# Altium PCB PCB_EUROC_mk2_BGA.PcbDoc (part 3 of 3)
Units mm, origin at the board's own origin, x right, y up, seen from the top; angles counter-clockwise.
Board outline 90 x 100 mm, 4 copper layers (Top Layer, Ground Layer, VCC Layer, Bottom Layer), stack 1.586 mm thick; 139 components, 118 nets, 695 pads, 450 vias.
Unrouted connection lines stored in the file: 72.
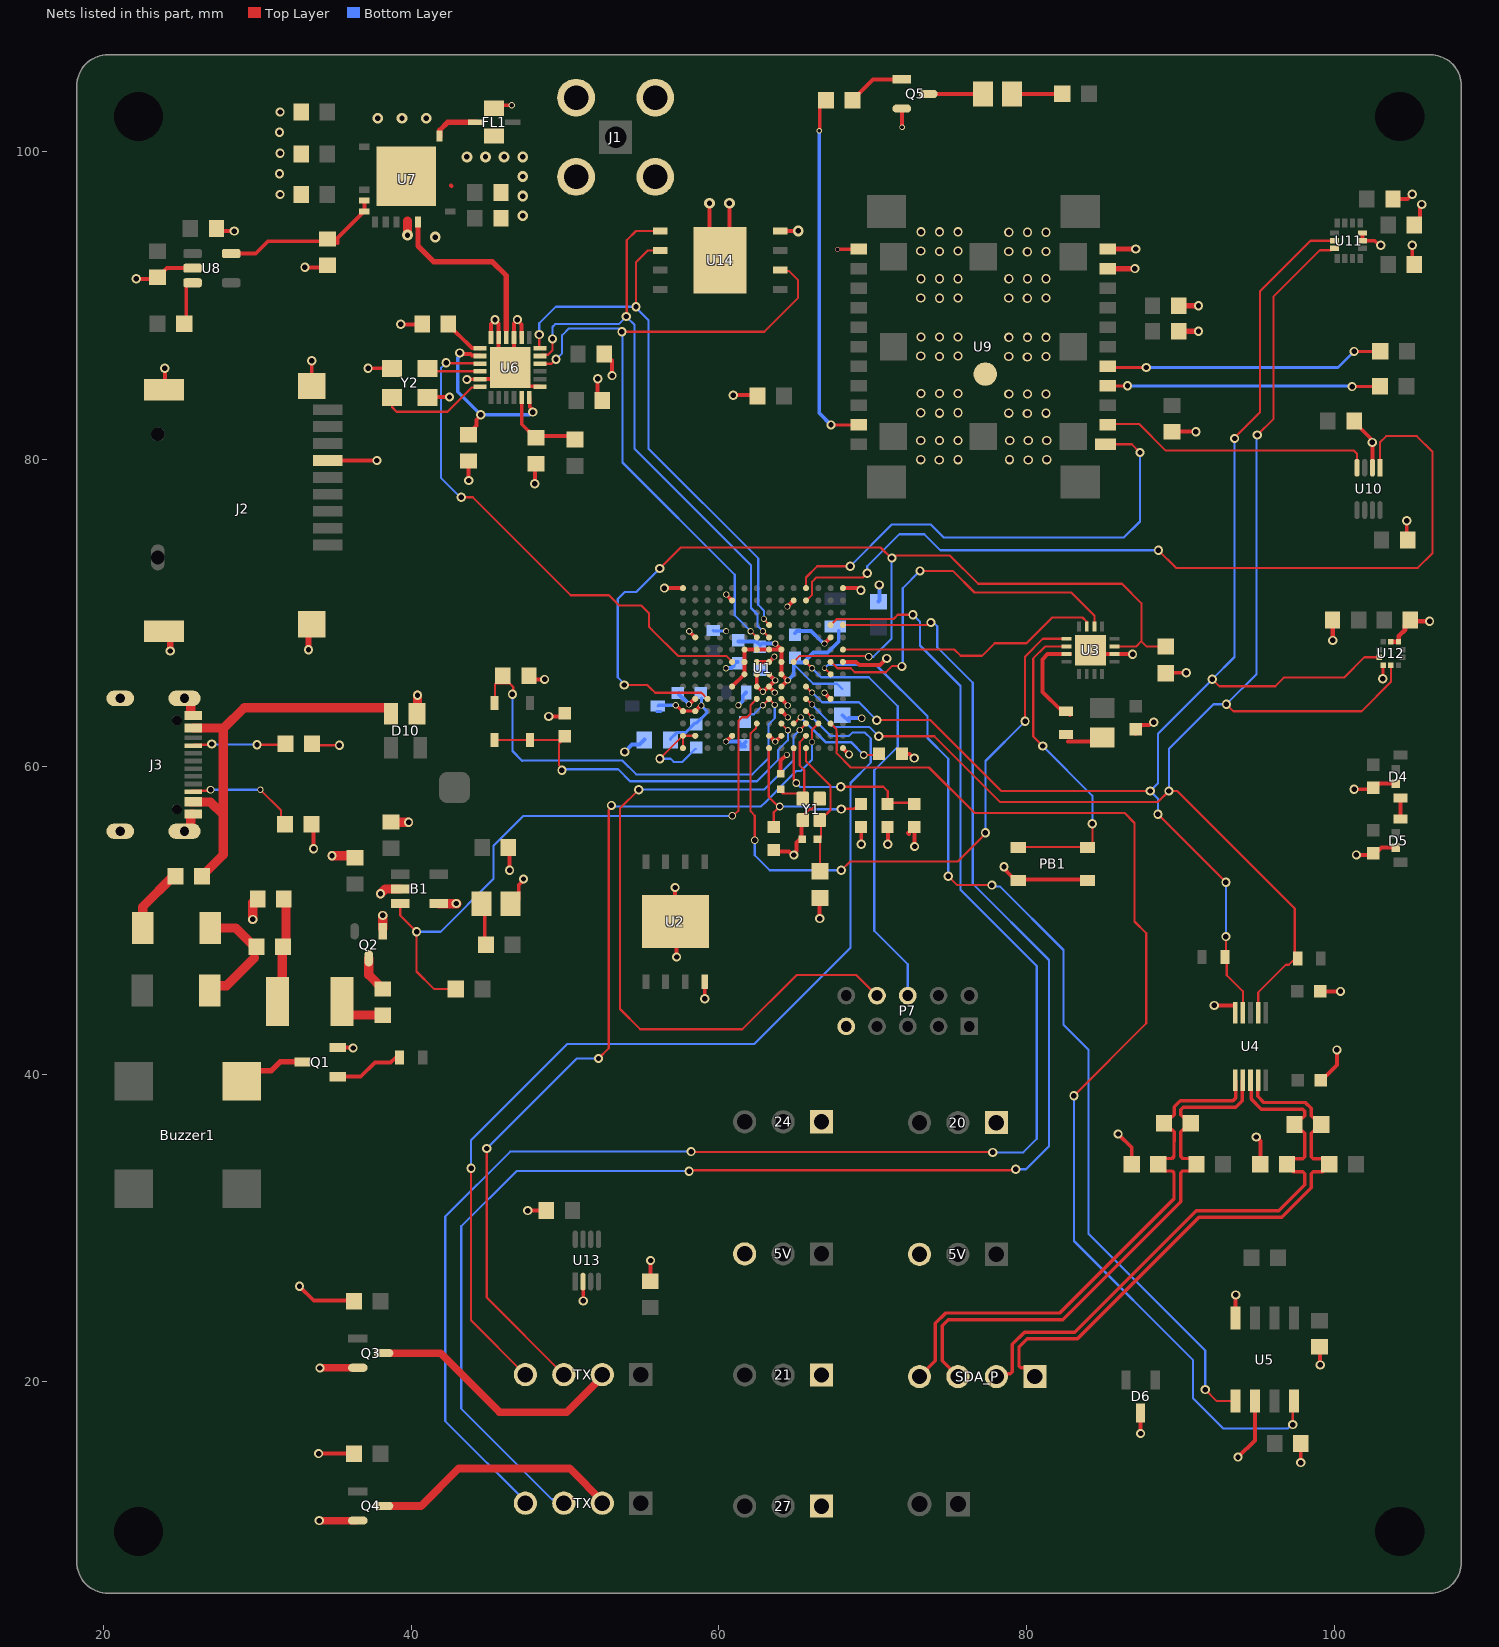
[diagram p5: the nets of this part, all layers, seen from the top]

## Via types
v1: diameter 0.6, hole 0.35, Top Layer to Bottom Layer, 294 vias
v2: diameter 0.6, hole 0.4, Top Layer to Bottom Layer, 60 vias
v3: diameter 0.4, hole 0.3, Top Layer to Bottom Layer, 58 vias
v4: diameter 0.7, hole 0.35, Top Layer to Bottom Layer, 18 vias
v5: diameter 0.5, hole 0.35, Top Layer to Bottom Layer, 15 vias
v6: diameter 0.35, hole 0.25, Top Layer to Bottom Layer, 5 vias

## Nets (pads, with @x,y where several pads share a name; then routed paths per layer and width w, separated by ;. In a path a pad name is that pad's centre, name@x,y a point inside that pad or via, vN(x,y) a via of type N, cw(c..) or ccw(c..) an arc to the next point about the centre after c; other vN are vias at no path point) (continued)
F14: U1.F14 U3.7 | length 17.5
  Top Layer w0.14: U1.F14@68.062,67.607 75.321,67.607 75.714,67.214 77.114,67.214 77.928,68.029 79.997,68.029 81.66,69.692 83.637,69.692 83.908,69.421 U3.7@83.908,69.117
FDCAN1_RX: U1.M13 U5.4 | length 75.2
  Top Layer w0.14: U1.M13@67.262,62.807 67.653,62.416 67.653,62.173 67.656,62.171 67.656,61.044 67.653,61.042 67.653,60.868 68.571,59.951 73.66,59.951 76.614,56.998 86.362,56.998 87.017,56.343 87.017,49.94 87.779,49.178 87.779,43.313 v1(83.08,38.614) ; v1(97.304,17.227) 97.304,18.675 U5.4@97.38,18.751
  Bottom Layer w0.14: v1(83.08,38.614) 83.08,29.16 90.83,21.411 90.83,18.928 92.773,16.985 96.992,16.985 97.234,17.227 v1(97.304,17.227)
FDCAN1_TX: U1.H13 U5.1 | length 63.8
  Top Layer w0.14: v6@66.865,66.411 v6(66.865,66.404) U1.H13@67.262,66.007 ; v1(74.905,52.883) 75.489,52.299 v1(77.749,52.299) ; v1(91.617,19.506) 92.372,18.751 U5.1@93.57,18.751
  Bottom Layer w0.14: v6(66.865,66.404) 67.073,66.612 70.214,66.612 73.557,63.269 73.557,61.859 74.905,60.511 v1(74.905,52.883) ; v1(77.749,52.299) 77.828,52.22 78.259,52.22 82.398,48.082 82.398,43.224 84.027,41.594 84.027,29.638 91.617,22.048 v1(91.617,19.506)
G13: U1.G13 U3.6 | length 25
  Top Layer w0.14: U1.G13@67.262,66.807 67.306,66.807 67.712,66.401 68.57,66.401 68.835,66.137 70.845,66.137 71.262,66.554 71.862,66.554 v1(71.897,66.519) ; v1(73.072,72.726) 75.204,72.726 76.612,71.317 82.914,71.317 84.408,69.823 U3.6@84.408,69.117
  Bottom Layer w0.14: v1(71.897,66.519) 71.955,66.577 71.955,71.608 v1(73.072,72.726)
GND: 5V.3 20.1 21.1 24.1 27.1 B1.2 B1.4 C1.2 C2.2 C3.2 C4.1 C5.2 C6.2 C7.2 C8.2 C9.2 C10.2 C11.2 C12.2 C13.2 C14.1 C15.1 C16.2 C17.2 C18.2 C19.2 C20.2 C21.2 C22.2 C23.1 C24.1 C25.2 C26.2 C27.2 C28.2 C29.2 C30.2 C31.2 C32.2 C33.2 C34.2 C35.2 C36.2 C37.1 C38.1 C39.1 C40.1 C41.1 C42.1 C43.2 C44.2 C45.1 C46.1 C47.1 C48.2 C49.2 C50.2 C51.2 C52.2 C53.2 C54.2 C55.1 C56.1 D4.2 D5.2 D6.3 D9.K D10.1 FL1.1 FL1.3 J1.S1 J1.S2 J1.S3 J1.S4 J2.6 J2.10 J2.11 J2.12 J2.13 J3.A1/B12 J3.A12/B1 J3.Shell P7.5 PB1.2 Q1.2 Q2.1 Q3.2 Q4.2 Q5.2 R1.2 R3.2 R9.2 R12.2 R18.1 R19.1 R20.2 R21.2 R28.2 U1.A1 U1.A14 U1.B5 U1.B10 U1.E2 U1.E13 U1.G7 U1.G8 U1.G14 U1.H7 U1.H8 U1.J7 U1.J8 U1.K2 U1.K9 U1.K13 U1.L9 U1.N1 U1.N2 U1.N5 U1.N8 U1.N9 U1.P1 U1.P14 U2.4 U2.9 U3.2 U3.17 U4.5 U5.2 U5.8 U6.5 U6.13 U6.20 U6.21 U6.23 U6.24 U6.25 U7.4_6_7_9_14_16_21_23_25 U8.2 U9.10 U9.11 U9.12 U10.2 U11.6 U11.7 U12.3 U12.8 U12.9 U13.2 U14.4 U14.9 Y1.2 Y1.4 Y2.2 Y2.4 | length 207.5
  Top Layer w0.14: R18.1@33.69,61.24 33.69,61.493 33.69,61.643 33.941,61.392 v1(35.326,61.392) ; v1(56.163,60.511) 56.163,60.526 57.644,62.007 U1.N1@57.662,62.007 ; U1.P1@57.662,61.207 U1.N1@57.662,62.007 ; U1.N2@58.462,62.007 U1.N1@57.662,62.007
  Top Layer w0.15: Y1.4@65.454,56.524 65.433,56.545 65.433,56.803 65.854,57.224 66.027,57.224 66.554,57.751 Y1.2@66.554,57.924
  Top Layer w0.2: v1(103.154,65.708) 103.168,65.723 103.168,66.584 U12.3@103.183,66.599
  Top Layer w0.22: U6.25@46.432,85.946 47.647,84.731 48.347,84.731 U6.13@48.382,84.696
  Top Layer w0.25: Y2.2@41.045,83.996 41.082,84.033 v1(42.484,84.033) ; FL1.1@45.39,102.939 45.455,103.003 v3(46.529,103.003) ; C16.2@71.805,60.832 72.395,60.832 72.671,60.557 v1(72.703,60.557) ; C3.2@87.096,62.129 87.096,62.274 87.521,62.699 87.979,62.699 88.173,62.893 v1(88.267,62.893) ; R3.2@89.061,66.102 v1(90.38,66.102)
  Top Layer w0.254: v1(22.123,91.714) 23.484,91.714 23.484,91.759 24.133,92.408 U8.2@25.777,92.408 ; J2.12@23.922,84.507 23.978,84.562 v1(23.978,85.903) ; J2.13@24.304,68.52 J2.13@24.33,68.495 ; U8.2@25.771,92.403 U8.2@25.777,92.408 ; U8.2@25.782,92.408 U8.2@25.777,92.408 ; C41.1@27.341,94.994 27.519,94.817 v1(28.498,94.817) ; v1(32.737,26.219) 33.657,25.298 R20.2@36.474,25.298 ; v1(33.084,92.461) 34.519,92.461 C43.2@34.561,92.503 ; J2.10@33.522,84.757 33.528,84.763 v1(33.528,86.385) ; R19.1@33.593,56.318 33.648,56.262 v1(33.648,54.667) ; v1(33.975,15.342) R21.2@36.168,15.342 ; Q1.2@35.225,41.748 36.181,41.748 v1(36.217,41.713) ; J2.6@35.281,80.014 35.387,79.907 v1(37.766,79.907) ; C26.2@36.322,54.201 C26.2@36.353,54.17 ; v1(37.193,85.904) Y2.4@38.652,85.904 ; C27.2@38.69,56.403 C27.2@38.724,56.368 ; v1(39.318,88.758) 40.586,88.758 C32.2@40.605,88.777 ; B1.4@41.785,51.1 B1.4@41.793,51.093 ; 42.577,97.778 42.622,97.732 ; v1@42.966,51.093 v1@42.973,51.085 ; v1(43.616,85.172) 43.628,85.184 44.47,85.184 U6.5@44.482,85.196 45.682,85.196 U6.25@46.432,85.946 ; v1(43.732,78.602) C36.2@43.732,79.774 ; U6.24@45.182,87.896 45.182,88.797 v1(45.441,89.056) 45.682,88.816 U6.23@45.682,87.896 45.682,86.696 U6.25@46.432,85.946 ; C28.2@46.038,54.737 46.409,54.366 46.394,54.351 v1(46.394,53.259) ; D9.K@46.519,50.884 46.986,51.351 46.986,52.298 47.294,52.606 v1(47.294,52.699) ; v1(46.9,89.064) v1@46.9,89.024 ; U6.20@47.176,87.914 47.176,88.748 v1@46.9,89.024 ; v1(47.574,31.14) C55.1@48.782,31.14 ; C5.2@47.651,65.913 47.893,65.672 v1(48.669,65.672) ; v1(48.034,78.397) C34.2@48.034,79.426 ; v1(48.93,63.269) 49.673,63.269 C4.1@49.979,63.575 ; v1(51.18,25.271) U13.2@51.18,26.439 ; v1(52.117,85.223) 52.117,84.218 C35.2@52.528,83.807 ; C33.2@52.636,86.823 53.057,86.401 v1(53.057,85.426) ; C56.1@55.535,26.54 55.561,26.565 v1(55.561,27.899) ; v1(56.458,71.607) U1.A1@57.658,71.607 ; v1(57.149,52.146) 57.149,49.167 57.251,49.065 v1(57.251,47.624) ; v3(58.047,64.039) 58.38,64.372 U1.K2@58.38,64.407 ; v3(58.068,68.801) U1.E2@58.462,68.407 ; v1(59.08,44.907) U2.4@59.08,46.006 ; v4(59.384,96.621) 59.384,94.466 U14.9@60.504,93.347 ; U14.9@60.08,92.923 U14.9@60.504,93.347 ; v3(60.459,61.626) 60.47,61.626 60.851,62.007 U1.N5@60.862,62.007 ; v3@60.477,71.192 U1.B5@60.862,70.807 ; v4(60.68,96.621) 60.68,93.523 U14.9@60.504,93.347 ; U14.9@60.931,92.919 U14.9@60.504,93.347 ; v1(60.935,84.15) 62.455,84.15 R28.2@62.507,84.098 ; U1.J7@62.451,65.2 U1.J7@62.462,65.2 ; U1.H7@62.456,66.007 U1.H7@62.462,66.007 U1.J7@62.462,65.207 ; U1.G7@62.462,66.807 U1.G8@63.262,66.807 v3(63.61,67.155) ; U1.J7@62.491,65.207 v3@62.829,64.87 ; v3(62.859,64.87) 62.891,64.87 63.229,65.207 U1.J8@63.262,65.207 ; U1.N8@63.262,62.007 63.277,62.007 v3(63.659,61.626) 63.669,61.626 64.051,62.007 U1.N9@64.062,62.007 ; U1.H8@63.262,66.007 v3(63.659,65.609) ; C21.2@63.573,54.477 64.562,54.477 64.783,54.255 v1(64.877,54.255) 64.877,54.349 65.04,54.512 65.04,55.067 65.263,55.29 65.359,55.385 65.359,56.429 Y1.4@65.454,56.524 ; v3@63.587,64.87 63.587,64.883 U1.J8@63.262,65.207 ; v3(63.63,64.814) v3@63.643,64.814 ; v3(63.659,65.609) 63.659,65.606 63.262,65.209 U1.J8@63.262,65.207 ; U14.4@63.703,94.839 63.692,94.828 U14.4@63.98,94.828 v4(65.15,94.828) ; C1.2@64.017,59.692 64.017,60.388 64.393,60.765 v3(64.415,60.765) ; U1.L9@64.062,63.607 64.071,63.607 64.473,63.205 v3(64.483,63.205) ; U1.K9@64.062,64.407 64.062,64.398 64.473,63.987 v3(64.473,63.978) ; v3(64.453,70.403) 64.857,70.807 U1.B10@64.862,70.807 ; v1(66.548,50.122) 66.548,51.442 R1.2@66.573,51.467 ; v3(66.862,64.801) 66.865,64.801 67.259,64.407 U1.K13@67.265,64.407 ; v3(66.862,68.001) 66.862,68.004 67.262,68.404 U1.E13@67.262,68.407 ; v6(67.713,93.623) 67.727,93.637 69.076,93.637 U9.12@69.09,93.65 ; U1.G14@68.062,66.807 68.922,66.807 69.128,66.602 70.478,66.602 v1(70.913,67.036) ; U1.P14@68.068,61.207 68.068,61.192 68.456,60.804 v5(68.456,60.795) ; U1.A14@68.068,71.613 68.074,71.607 69.049,71.607 69.193,71.464 v1(69.232,71.464) ; C20.2@69.234,55.976 69.254,55.956 v1(69.254,54.956) ; v1(70.981,54.956) C19.2@70.981,55.86 ; Q5.2@71.888,102.782 71.897,102.773 71.897,101.582 v6(71.907,101.573) ; C18.2@72.302,55.683 72.367,55.618 ; v1(72.722,54.813) 72.722,55.773 C18.2@72.734,55.785 ; v1(78.537,53.492) 78.537,53.399 78.703,53.232 78.703,53.204 79.029,52.878 79.253,52.654 PB1.2@84.04,52.654 ; U3.17@84.158,67.567 84.408,67.317 U3.2@85.708,67.317 ; v1(85.953,36.117) 86.835,35.235 R12.2@86.835,34.146 ; U3.2@86.012,67.317 86.888,67.317 v1(86.892,67.313) ; v1@87.043,92.38 v1(87.045,92.378) ; v1(87.094,93.65) v1@87.096,93.648 ; v1@87.401,16.635 v1(87.416,16.651) D6.3@87.416,17.995 ; C47.1@89.459,81.776 v1(91.008,81.776) ; v1(92.199,44.481) 93.538,44.481 93.561,44.458 U4.5@93.561,44.014 ; U5.8@93.57,24.151 93.57,25.634 v1(93.596,25.66) ; v1(93.748,15.114) 94.84,16.207 U5.2@94.84,18.751 ; v1(94.929,35.921) 95.196,35.654 95.196,34.093 R9.2@95.195,34.092 ; v1(97.827,14.757) C23.1@97.827,16.002 ; C24.1@99.035,22.278 99.085,22.227 v1(99.085,21.107) ; C14.1@99.195,45.396 99.201,45.39 v1(100.406,45.39) ; C15.1@99.233,39.614 99.233,39.664 100.174,40.605 v1(100.174,41.586) ; C45.1@101.292,82.471 101.292,82.421 102.444,81.269 102.444,81.109 v1(102.472,81.081) 102.481,81.072 U10.2@102.481,79.434 ; v1(101.294,58.535) 102.539,58.535 102.589,58.535 102.964,58.909 D4.2@103.99,58.909 ; v1(101.443,54.265) 102.586,54.265 103.065,54.744 D5.2@103.99,54.744 ; U11.7@101.851,94.691 U11.6@101.851,94.191 102.637,94.191 102.931,93.897 v1(103.024,93.897) ; C52.2@103.822,96.901 104.754,96.901 105.068,97.215 v1(105.076,97.215) ; v1(104.719,75.987) 104.719,74.78 C46.1@104.773,74.725 ; v1@105.076,93.955 105.076,92.761 C50.2@105.203,92.634 ; C51.2@105.203,95.225 105.576,95.598 105.576,96.351 105.686,96.461 v1(105.686,96.555) ; U6.25@46.432,85.946 46.682,86.196 U6.21@46.682,87.896 46.682,88.806 v1@46.9,89.024
  Top Layer w0.3: C53.2@99.889,69.528 99.901,69.516 v1(99.901,68.207) ; U12.9@103.683,68.119 U12.8@104.183,68.119 104.206,68.143 104.206,68.494 104.605,68.893 104.605,69.178 C54.2@104.955,69.528 ; C54.2@104.955,69.452 v1(106.2,69.452)
  Top Layer w0.35: C25.2@29.691,51.174 C25.2@29.908,51.39 ; U9.10@85.29,92.38 v1@87.043,92.38 ; U9.11@85.29,93.65 v1(87.094,93.65) ; C48.2@89.877,89.967 v1(91.18,89.967) ; C49.2@89.887,88.307 v1(91.18,88.307)
  Top Layer w0.4: v1(24.33,67.519) J2.13@24.33,68.495 ; v1(33.321,67.595) J2.11@33.321,68.483
  Top Layer w0.5: v1@34.01,10.997 v1(34.02,10.986) Q4.2@36.4,10.986 ; v1(34.058,20.91) 34.073,20.925 Q3.2@36.058,20.925
  Top Layer w0.6: J3.Shell@25.26,55.802 25.434,55.802 25.665,56.033 25.665,56.872 25.715,56.922 J3.A12/B1@25.83,56.922 ; J3.Shell@25.26,64.442 25.434,64.442 25.665,64.211 25.665,63.372 25.715,63.322 J3.A1/B12@25.83,63.322 ; v1(29.691,50.069) C25.2@29.691,51.174 ; v1(34.845,54.209) C26.2@36.314,54.209 ; v1(38,51.745) 38.305,52.05 B1.2@39.285,52.05 ; Q2.1@38.148,49.484 v1(38.148,50.329) ; C27.2@38.724,56.368 38.75,56.394 v1(39.824,56.394) ; v4(39.752,94.557) 39.752,95.471 ; D10.1@40.408,63.457 v1(40.408,64.649) ; B1.4@41.793,51.093 v1@42.966,51.093
  Bottom Layer w0.14: v1(56.163,60.511) 56.861,60.511 57.059,60.313 57.632,60.313 58.467,61.147 C12.2@58.517,61.147
  Bottom Layer w0.2: C29.2@59.634,68.856 59.675,68.814 v3(60.465,68.814)
  Bottom Layer w0.25: C30.2@70.368,70.729 70.429,70.79 v1(70.429,71.818)
  Bottom Layer w0.254: v1(53.877,60.961) 54.359,61.443 54.834,61.443 C13.2@55.153,61.762 ; C11.2@57.418,64.792 57.418,64.692 58.047,64.063 v3(58.047,64.039) ; v3(60.459,61.626) 61.276,61.626 61.446,61.455 C6.2@61.446,61.305 ; v3(60.459,66.401) 60.794,66.401 60.942,66.55 60.942,66.619 61.122,66.798 C9.2@61.214,66.798 ; v3(61.263,63.996) 61.549,64.282 61.549,64.598 C31.2@61.772,64.821 ; C6.2@61.699,61.305 C6.2@61.446,61.305 ; C6.2@61.745,61.603 C6.2@61.446,61.305 ; C8.2@62.686,66.196 63.072,66.196 v3(63.659,65.609) ; C10.2@64.944,68.674 65.084,68.814 65.995,68.814 66.655,68.153 66.671,68.153 66.823,68.001 v3(66.862,68.001) ; C7.2@68.019,63.346 68.442,62.973 68.442,63.155 v5(69.295,63.155)
  other v1: 42.923,51.105 105.076,93.897 31.471,97.198 31.431,98.544 31.471,99.878 31.431,101.242 31.471,102.558
  other v2: 74.328,79.934 80.106,79.934 73.117,79.96 75.539,79.96 78.896,79.96 81.317,79.96 73.126,81.204 74.332,81.204 75.539,81.204 78.904,81.204 80.111,81.204 81.317,81.204 80.052,82.957 74.337,82.982 78.841,82.982 81.263,82.982 73.126,83.008 75.548,83.008 78.85,84.227 80.056,84.227 81.263,84.227 73.135,84.252 74.341,84.252 75.548,84.252 80.052,86.64 74.337,86.665 78.841,86.665 81.263,86.665 73.126,86.691 75.548,86.691 78.85,87.91 80.056,87.91 81.263,87.91 73.135,87.935 74.341,87.935 75.548,87.935 74.337,90.45 80.052,90.45 73.126,90.475 75.548,90.475 78.841,90.475 81.263,90.475 73.135,91.72 74.341,91.72 75.548,91.72 78.85,91.72 80.056,91.72 81.263,91.72 80.052,93.473 74.337,93.498 78.841,93.498 81.263,93.498 73.126,93.523 75.548,93.523 78.85,94.743 80.056,94.743 81.263,94.743 73.135,94.768 74.341,94.768 75.548,94.768
  other v3: 60.476,71.192
  other v4: 41.56,94.428 47.243,95.816 47.243,97.092 47.243,98.367 43.619,99.643 44.827,99.643 46.035,99.643 47.243,99.643 37.82,102.157 39.395,102.157 40.969,102.157
GND_CAM_1: Q3.3 TX.2@52.418,20.478 | length 16.7
  Top Layer w0.5: Q3.3@38.358,21.875 41.904,21.875 45.74,18.04 50.111,18.04 52.418,20.347 TX.2@52.418,20.478
GND_CAM_2: Q4.3 TX.2@52.418,12.117 | length 16.4
  Top Layer w0.5: Q4.3@38.071,11.936 40.637,11.936 43.078,14.377 50.291,14.377 TX.2@52.552,12.117
I2C1_SCL_N: R11.1 R12.1 SDA_P.4 U4.6 | length 36.2
  Top Layer w0.222: SDA_P.4@73.04,20.351 74.074,21.385 74.074,23.821 74.737,24.484 82.17,24.484 89.586,31.901 89.586,33.587 89.456,33.717 88.979,33.717 88.565,34.131 R12.1@88.565,34.146 88.946,34.526 89.456,34.526 89.586,34.656 89.586,35.635 89.595,35.643 89.595,36.266 89.465,36.397 89.36,36.397 88.946,36.81 R11.1@88.946,36.825 88.946,36.84 89.36,37.254 89.465,37.254 89.595,37.385 89.595,37.878 90.005,38.288 93.421,38.288 93.595,38.462 93.595,39.58 U4.6@93.561,39.614
I2C1_SCL_P: R10.2 R11.2 SDA_P.3 U4.7 | length 36.2
  Top Layer w0.222: SDA_P.3@75.54,20.351 74.506,21.385 74.506,23.642 74.916,24.052 82.349,24.052 90.019,31.722 90.019,33.587 90.149,33.717 90.626,33.717 91.04,34.131 R10.2@91.04,34.146 90.659,34.526 90.149,34.526 90.019,34.656 90.019,35.456 90.027,35.464 90.027,36.266 90.157,36.397 90.262,36.397 90.676,36.81 R11.2@90.676,36.825 90.676,36.84 90.262,37.254 90.157,37.254 90.027,37.385 90.027,37.699 90.184,37.856 93.6,37.856 94.027,38.283 94.027,39.58 U4.7@94.061,39.614
I2C1_SDA_N: R5.2 R6.2 SDA_P.1 U4.9 | length 38.2
  Top Layer w0.222: SDA_P.1@80.54,20.351 79.974,20.917 79.636,20.917 79.506,21.047 79.506,22.267 80.047,22.808 83.312,22.808 91.21,30.707 96.588,30.707 98.517,32.636 98.517,33.534 98.648,33.664 99.263,33.664 99.677,34.078 99.677,34.093 99.677,34.108 99.263,34.522 98.648,34.522 98.517,34.652 98.517,35.587 98.511,35.594 98.511,36.175 98.641,36.305 98.746,36.305 99.16,36.719 R6.2@99.16,36.734 99.16,36.749 98.746,37.163 98.641,37.163 98.511,37.293 98.511,37.786 98.127,38.17 95.432,38.17 95.027,38.575 95.027,39.58 U4.9@95.061,39.614
I2C1_SDA_P: R6.1 R9.1 SDA_P.2 U4.8 | length 38.4
  Top Layer w0.222: SDA_P.2@78.04,20.351 78.229,20.541 78.944,20.541 79.074,20.671 79.074,22.446 79.868,23.24 83.133,23.24 91.031,31.139 96.409,31.139 98.085,32.815 98.085,33.534 97.955,33.664 97.34,33.664 96.926,34.078 96.926,34.093 96.926,34.108 97.34,34.522 97.955,34.522 98.085,34.652 98.085,35.408 98.078,35.415 98.078,36.175 97.948,36.305 97.843,36.305 97.43,36.719 R6.1@97.43,36.734 97.43,36.749 97.843,37.163 97.948,37.163 98.078,37.293 98.078,37.607 97.948,37.738 95.253,37.738 94.595,38.396 94.595,39.58 U4.8@94.561,39.614
K3: R3.1 U1.G10 U1.K3 U3.3 | length 67
  Top Layer w0.14: v1(53.845,65.309) 55.344,65.309 55.572,65.081 55.851,64.801 57.499,64.801 ; v1(56.158,72.88) 57.528,74.25 70.508,74.25 v1@71.194,73.564 ; 57.499,64.801 58.625,64.801 ; 58.625,64.801 58.868,64.801 59.218,64.451 U1.K3@59.218,64.407 ; U1.G10@64.862,66.807 65.256,67.201 69.533,67.201 69.685,67.201 v5(69.742,67.143) ; v1(71.244,73.564) 71.368,73.564 71.525,73.721 75.021,73.721 76.855,71.888 86.204,71.888 87.462,70.63 87.462,68.158 ; U3.3@85.708,67.817 87.121,67.817 87.462,68.158 ; R3.1@89.059,67.804 87.816,67.804 87.462,68.158
  Bottom Layer w0.14: v1(53.845,65.309) 53.845,65.379 53.419,65.806 53.419,70.903 53.87,71.354 54.632,71.354 v1(56.158,72.88) ; v5(69.742,67.143) 70.043,67.143 71.218,68.318 71.218,73.539 v1(71.244,73.564)
M7: U1.M7 U3.9 | length 41
  Top Layer w0.14: v5(62.334,55.221) 62.334,56.819 62.062,57.091 62.062,62.155 62.068,62.161 62.068,62.171 62.406,62.508 62.406,62.598 62.413,62.606 62.413,62.813 U1.M7@62.406,62.82 ; v1(67.954,53.264) 68.519,53.828 75.511,53.828 77.326,55.644 v1(77.326,55.702) ; v1(79.905,62.947) 79.905,67.163 81.059,68.317 U3.9@82.608,68.317
  Bottom Layer w0.14: v5(62.334,55.221) 62.334,54.232 63.303,53.264 v1(67.954,53.264) ; v1(77.326,55.702) 77.326,60.369 v1(79.905,62.947)
MISO: U1.E7 U6.16 U14.2 | length 45.8
  Top Layer w0.14: U6.16@48.382,86.196 49.119,86.196 v1(49.407,86.483) ; v1(53.692,88.271) 62.947,88.271 65.15,90.474 65.15,91.627 64.546,92.232 63.776,92.232 U14.2@63.719,92.288 ; v3(62.062,68.807) U1.E7@62.462,68.407
  Bottom Layer w0.14: v1(49.407,86.483) 49.806,86.883 49.806,88.047 50.242,88.483 53.48,88.483 v1(53.692,88.271) 53.735,88.228 53.735,79.77 61.032,72.473 61.032,69.837 v3(62.062,68.807)
MOSI: U1.E8 U6.17 U14.5 | length 39.7
  Top Layer w0.14: U6.17@48.382,86.696 48.461,86.775 48.89,86.775 49.057,86.943 49.179,87.064 v1(49.179,87.81) ; v1(53.972,89.263) 54.01,89.264 54.01,94.226 54.608,94.824 56.176,94.824 U14.5@56.18,94.828 ; v3(62.862,68.8) 62.866,68.8 63.251,68.414 63.262,68.414 U1.E8@63.262,68.407
  Bottom Layer w0.14: v1(49.179,87.81) 49.179,88.586 49.365,88.772 53.481,88.772 v1(53.972,89.263) ; v1@53.972,89.226 54.01,89.226 54.512,88.723 54.512,80.669 62.09,73.091 62.09,70.31 62.507,69.893 62.507,69.154 v3(62.862,68.8)
NetBuzzer1_N: Buzzer1.N Q1.3 | length 4.4
  Top Layer w0.35: Buzzer1.N@28.973,39.548 29.664,40.239 30.908,40.239 31.477,40.808 Q1.3@32.881,40.808
NetC5_1: C5.1 C6.1 D3.A U1.K8 | length 31.3
  Top Layer w0.14: D3.A@45.407,64.144 45.432,64.17 45.432,65.344 C5.1@45.501,65.413 ; C5.1@45.951,65.913 45.501,65.463 C5.1@45.501,65.413 ; v1(46.577,64.712) 46.631,64.766 46.631,65.184 46.381,65.434 46.361,65.413 C5.1@45.501,65.413 ; v3(62.859,63.988) 62.859,63.996 U1.K8@63.262,64.4 ; U1.K8@63.262,64.407 U1.K8@63.262,64.4 ; v3(63.63,64.016) 63.63,64.028 63.262,64.396 U1.K8@63.262,64.4
  Bottom Layer w0.14: v1(46.577,64.712) 46.577,61.019 47.223,60.373 ; 47.223,60.399 53.726,60.399 54.624,59.501 62.171,59.501 63.229,60.559 63.229,62.755 63.63,63.155 v3(63.63,64.016) ; C6.1@61.834,63.185 62.053,63.405 62.275,63.405 v3(62.859,63.988)
NetC11_1: C11.1 C12.1 C13.1 L2.1 U1.L1 U1.L2 | length 7.7
  Top Layer w0.15: U1.L2@58.405,63.621 58.405,63.629 U1.L2@58.472,63.629
  Top Layer w0.2: v3(57.193,63.992) 57.235,63.992 57.619,63.607 U1.L1@57.662,63.607 U1.L2@58.405,63.607
  Top Layer w0.254: U1.L2@58.472,63.629 v3@58.84,63.997
  Bottom Layer w0.2: 55.943,63.583 56.236,63.583 ; L2.1@56.04,63.953 56.079,63.992 v3(57.193,63.992) ; C13.1@56.853,61.762 56.853,61.812 57.253,62.212 57.832,62.212 58.467,62.847 58.517,62.847 58.567,62.847 59.23,63.51 59.23,63.608 v3(58.86,63.978) C11.1@58.86,64.465
NetC16_1: C16.1 U1.M10 | length 6.9
  Top Layer w0.14: U1.M10@64.862,62.807 64.875,62.807 64.892,62.807 65.288,63.203 v3(65.318,63.203)
  Top Layer w0.15: v5(69.408,60.761) 70.243,60.761 C16.1@70.45,60.968
  Bottom Layer w0.15: v3@65.321,63.205 66.931,61.595 68.582,61.595 69.408,60.769 v5(69.408,60.761)
NetC18_1: C18.1 C19.1 U1.P10 | length 11
  Top Layer w0.15: U1.P10@64.862,61.207 64.862,59.172 64.905,59.128 65.031,59.002 v5(65.031,58.935) ; v1(67.922,58.699) 70.687,58.699 70.981,58.405 70.981,57.66 C18.1@72.663,57.66
  Bottom Layer w0.15: v5(65.031,58.935) 65.285,58.681 67.904,58.681 v1(67.922,58.699)
NetC20_1: C20.1 C21.1 U1.P8 | length 11.1
  Top Layer w0.15: U1.P8@63.262,61.207 63.239,61.185 63.239,58.033 63.86,57.412 v5(63.955,57.412) 63.908,57.365 63.573,57.03 C21.1@63.573,56.177 ; v1(67.954,57.24) 67.97,57.257 68.759,57.257 C20.1@69.234,57.676
  Bottom Layer w0.15: v5(63.955,57.412) 65.807,57.412 65.989,57.23 67.944,57.23 v1(67.954,57.24)
NetC25_1: C25.1 F1.1 R15.1 | length 6.7
  Top Layer w0.35: R15.1@31.856,48.341 R15.1@31.906,48.291
  Top Layer w0.6: F1.1@31.306,44.735 31.62,45.049 31.62,48.104 R15.1@31.807,48.291 ; R15.1@31.856,48.341 C25.1@31.856,51.161
NetC32_1: C32.1 U6.1 | length 2.7
  Top Layer w0.254: C32.1@42.505,88.777 42.505,88.627 43.028,88.104 43.055,88.104 43.94,87.219 44.459,87.219 U6.1@44.482,87.196
NetC34_1: C34.1 R22.2 U6.11 | length 5.5
  Top Layer w0.254: U6.11@47.182,83.996 47.182,82.261 47.954,81.489 48.104,81.489 50.568,81.489 R22.2@50.644,81.413
NetC36_1: C36.1 U6.2 U6.12 | length 12.1
  Top Layer w0.254: v1(43.155,86.897) 43.221,86.83 43.839,86.83 43.95,86.719 44.459,86.719 U6.2@44.482,86.696 ; C36.1@43.732,81.674 44.237,82.178 44.237,82.556 44.518,82.838 v1(44.518,82.877) ; U6.12@47.682,83.996 47.705,83.973 47.705,83.383 47.874,83.213 47.874,83.08 v1(47.902,83.052)
  Bottom Layer w0.254: v1(43.155,86.897) 43.089,86.83 43.089,86.64 43.024,86.575 43.024,84.371 v1(44.518,82.877) 47.688,82.877 47.863,83.052 v1(47.902,83.052)
NetC43_1: C43.1 U7.27 U7.28 U8.5 | length 10.6
  Top Layer w0.254: U8.5@28.292,93.358 29.89,93.358 30.689,94.157 34.315,94.157 C43.1@34.561,94.403 ; C43.1@34.861,94.392 35.205,94.049 35.205,94.369 U7.28@36.938,96.102 ; U7.28@36.952,96.102 U7.27@36.952,96.767
NetD1_K: D1.K R2.1 | length 2.7
  Top Layer w0.254: 82.698,61.629 D1.K@85.366,61.629
NetD4_1: D4.1 D5.4 | length 1.4
  Top Layer w0.254: D5.4@104.315,56.594 D4.1@104.315,57.959
NetD7_2: D7.2 D8.2 R15.2 | length 8.2
  Top Layer w0.35: D8.2@26.936,49.51 26.936,49.455 D8.2@27.461,48.93
  Top Layer w0.5: 29.807,47.571 R15.2@29.807,48.291
  Top Layer w0.6: D8.2@26.936,49.51 28.588,49.51 R15.2@29.807,48.291 ; D7.2@27.268,45.751 27.987,45.751 29.807,47.571
NetD8_1: D8.1 R14.2 | length 4.2
  Top Layer w0.6: D8.1@22.536,49.51 22.536,50.885 R14.2@24.54,52.889
NetD9_A: D9.A R16.1 | length 2.8
  Top Layer w0.222: R16.1@44.767,48.278 D9.A@44.767,51.06
NetD11_A: D11.A R24.2 | length 3.3
  Top Layer w0.254: D11.A@79.054,103.732 82.294,103.732 R24.2@82.319,103.757
NetD11_K: D11.K Q5.3 | length 4
  Top Layer w0.254: Q5.3@73.608,103.732 76.936,103.732 D11.K@77.418,104.215
NetF1_2: F1.2 L3.1 | length 3.2
  Top Layer w0.35: F1.2@35.506,44.735 35.506,44.423 F1.2@36.081,43.848
  Top Layer w0.6: F1.2@36.081,43.848 L3.1@38.148,43.848
NetFL1_4: FL1.4 U7.15 | length 3
  Top Layer w0.349: U7.15@41.852,100.967 41.852,101.373 42.375,101.896 FL1.4@44.186,101.896
NetJ3_A5: J3.A5 R18.2 | length 6.1
  Top Layer w0.14: J3.A5@25.83,61.372 25.882,61.424 26.97,61.424 v1(27.023,61.476) ; v1(29.969,61.423) 31.754,61.423 R18.2@31.825,61.493
  Bottom Layer w0.14: v1(27.023,61.476) 27.049,61.45 29.942,61.45 v1(29.969,61.423)
NetJ3_B5: J3.B5 R19.2 | length 7.2
  Top Layer w0.14: J3.B5@25.608,58.321 25.724,58.437 26.887,58.437 v5(26.952,58.502) ; v3(30.19,58.502) 31.539,57.154 R19.2@31.539,56.493
  Bottom Layer w0.14: v5(26.952,58.502) v3(30.19,58.502)
NetL3_2: L3.2 Q2.3 | length 2.4
  Top Layer w0.35: Q2.3@37.233,47.542 Q2.3@37.271,47.504
  Top Layer w0.6: Q2.3@37.233,47.542 37.233,46.463 L3.2@38.148,45.548
NetPB1_1: PB1.1 U3.10 | length 21.3
  Top Layer w0.14: PB1.1@79.477,54.788 83.958,54.788 PB1.1@84.277,54.788 ; v1(81.048,61.347) 80.437,61.958 80.437,67.043 81.211,67.817 U3.10@82.608,67.817 ; PB1.1@83.958,54.749 83.997,54.749 84.277,55.029 v1(84.277,56.286)
  Bottom Layer w0.14: v1(81.048,61.347) 84.277,58.118 v1(84.277,56.286)
NetQ1_1: Q1.1 R4.2 | length 4.1
  Top Layer w0.254: Q1.1@35.396,39.848 36.715,39.848 37.639,40.773 38.662,40.773 R4.2@38.992,41.103
NetQ5_1: Q5.1 R25.1 | length 3.8
  Top Layer w0.254: R25.1@68.681,103.326 68.681,103.341 70.022,104.682 Q5.1@71.888,104.682
NetR2_2: R2.2 U3.11 | length 6.5
  Top Layer w0.254: R2.2@82.57,63.636 R2.2@82.543,63.636 ; R2.2@82.829,63.351 R2.2@82.543,63.636 ; U3.11@82.831,67.317 81.372,67.317 81.03,66.975 81.03,64.865 82.258,63.636 R2.2@82.543,63.636
NetR23_1: R23.1 U8.3 | length 3
  Top Layer w0.254: R23.1@25.37,88.796 25.37,91.291 25.536,91.458 U8.3@25.782,91.458
NetR25_2: R25.2 U9.21 | length 23.4
  Top Layer w0.2: v1(67.284,82.218) 67.286,82.22 U9.21@69.09,82.22
  Top Layer w0.254: v6(66.522,101.344) 66.522,101.37 66.553,101.401 66.553,102.928 R25.2@66.951,103.326
  Bottom Layer w0.254: v6(66.522,101.344) 66.522,82.98 v1(67.284,82.218)
NetR26_2: R26.2 U9.4 | length 17.7
  Top Layer w0.2: U9.4@85.29,84.76 v1(86.564,84.76) ; v1(101.166,84.709) 102.945,84.709 R26.2@102.97,84.735
  Bottom Layer w0.2: v1(86.564,84.76) 101.115,84.76 v1(101.166,84.709)
NetR27_2: R27.2 U9.5 | length 18.2
  Top Layer w0.2: U9.5@85.29,86.03 85.366,85.954 v1(87.782,85.954) ; v1(101.292,86.995) R27.2@102.996,86.995
  Bottom Layer w0.2: v1(87.782,85.954) 100.251,85.954 v1(101.292,86.995)
NetU6_4: U6.4 Y2.3 | length 3.5
  Top Layer w0.15: Y2.3@41.045,85.896 41.24,85.701 44.477,85.701 U6.4@44.482,85.696
NetU6_6: U6.6 Y2.1 | length 7.2
  Top Layer w0.15: Y2.1@38.745,83.996 38.745,83.391 38.746,83.38 39.062,83.064 42.338,83.064 43.93,84.655 44.441,84.655 U6.6@44.482,84.696
PMIC_REQ: B1.3 R17.2 U1.K7 | length 41.1
  Top Layer w0.14: B1.3@39.285,51.1 39.285,50.329 v1(40.344,49.27) 40.344,46.679 41.467,45.555 ; 41.516,45.548 R17.2@42.761,45.548 ; v5(60.862,56.803) 60.932,56.803 61.263,57.134 61.263,62.972 61.504,63.213 61.825,63.213 62.056,63.444 62.056,63.765 62.061,63.77 62.061,64.006 U1.K7@62.462,64.407
  Bottom Layer w0.14: v1(40.344,49.27) 41.906,49.27 45.336,52.699 45.336,54.845 47.294,56.803 v5(60.862,56.803)
RF_OUT: U6.22 U7.5 | length 11.6
  Top Layer w0.349: U7.5@40.438,95.402 40.438,93.849 41.452,92.835 45.262,92.835 46.182,91.916 46.182,88.41
RX1: P7.9 U1.M11 | length 47.6
  Top Layer w0.14: v1(54.783,58.5) 53.569,57.286 53.569,44.247 54.889,42.926 61.521,42.926 65.052,46.457 68.938,46.457 P7.9@70.278,45.116 ; v3(65.251,62.382) 65.251,62.389 65.662,62.8 U1.M11@65.662,62.807 U1.M11@65.662,62.815
  Bottom Layer w0.14: v1(54.783,58.5) 54.79,58.508 62.934,58.508 64.86,60.433 64.86,61.991 v3(65.251,62.382)
RX2: U1.A11 U9.1 | length 31.4
  Top Layer w0.14: U1.A11@65.662,71.607 65.662,72.301 66.392,73.031 v1(68.534,73.031) ; U9.1@85.266,80.956 86.839,80.956 v1(87.373,80.422)
  Bottom Layer w0.14: v1(68.534,73.031) 71.246,75.743 73.762,75.743 74.6,74.905 86.335,74.905 87.373,75.943 v1(87.373,80.422)
"RX_CAM1 / 14": TX.4@47.418,20.478 U1.L11 | length 65.8
  Top Layer w0.14: v1(43.888,33.889) 43.888,24.009 TX.4@47.418,20.478 ; U1.L11@65.662,63.607 v6(66.053,63.216)
  Bottom Layer w0.14: v1(43.888,33.889) 43.888,35.718 50.136,41.967 62.303,41.967 68.554,48.218 68.554,58.941 69.874,60.262 69.874,61.837 69.496,62.215 68.673,62.215 68.448,61.991 67.279,61.991 v6(66.053,63.216)
"RX_CAM2 / 35": TX.4@47.418,12.117 U1.D13 | length 104.5
  Top Layer w0.14: v1(58.191,34.974) 58.216,34.949 77.774,34.949 v1(77.799,34.923) ; U1.D13@67.262,69.207 67.656,69.602 71.347,69.602 71.625,69.879 v1(72.613,69.879) v1@72.615,69.881
  Bottom Layer w0.14: TX.4@47.552,12.117 42.214,17.455 42.214,30.758 46.43,34.974 v1(58.191,34.974) ; v1(72.613,69.879) 73.073,69.418 73.073,67.874 75.707,65.24 75.707,52.005 80.665,47.047 80.665,35.808 79.781,34.923 v1(77.799,34.923)
SCK: U1.D8 U6.18 U14.6 | length 38.1
  Top Layer w0.14: v1(48.323,88.09) 48.323,87.296 48.348,87.271 48.732,87.271 48.657,87.196 U6.18@48.382,87.196 ; v1(54.608,89.9) 54.608,92.794 55.369,93.554 56.176,93.554 U14.6@56.18,93.558 ; v3(62.922,69.604) 62.922,69.576 63.265,69.233 63.265,69.207 U1.D8@63.262,69.207
  Bottom Layer w0.14: v1(48.323,88.09) 48.323,88.822 49.401,89.9 v1(54.608,89.9) ; v1@54.599,89.851 55.412,89.037 55.412,80.685 62.553,73.544 62.553,70.52 62.922,70.151 v3(62.922,69.604)
SCL: R8.2 U1.J11 U4.4 U11.13 U12.2 | length 95.6
  Top Layer w0.14: U1.J11@65.662,65.207 65.662,65.201 v3(66.05,64.814) ; v1(70.266,63.024) 73.758,63.024 78.362,58.42 v1(88.036,58.42) ; v1(88.541,56.902) v1(92.961,52.482) ; v1(92.075,65.684) 92.532,65.227 96.164,65.227 96.723,65.786 100.639,65.786 101.962,67.109 U12.2@102.923,67.109 ; v1(92.961,48.952) 92.961,47.683 93.013,47.631 93.013,46.444 94.061,45.396 U4.4@94.061,44.014 ; v1(93.523,81.331) 93.523,81.382 95.174,83.033 95.174,90.907 98.458,94.191 U11.13@100.025,94.191
  Bottom Layer w0.14: v3(66.05,64.814) 66.087,64.814 66.715,64.185 69.104,64.185 v1(70.266,63.024) ; v1(88.541,56.902) 88.541,57.915 v1(88.036,58.42) 88.541,58.925 88.541,62.134 92.07,65.663 v1@92.07,65.69 ; v1(92.075,65.684) 93.523,67.132 v1(93.523,81.331) ; v1(92.961,48.952) v1(92.961,52.482)
SDA: R7.2 U1.K11 U4.2 U11.14 U12.4 | length 99.4
  Top Layer w0.14: U1.K11@65.662,64.407 65.681,64.407 v3(66.05,64.039) ; v1(70.386,61.978) 73.995,61.978 78.264,57.709 88.544,57.709 v1(89.256,58.42) 89.789,58.42 97.431,50.778 97.431,47.5 97.054,47.123 96.856,47.123 95.061,45.328 U4.2@95.061,44.014 ; v1(92.989,64.059) 93.447,63.602 101.782,63.602 103.683,65.503 U12.4@103.683,66.599 ; v1(94.996,81.559) 96.063,82.626 96.063,90.572 99.066,93.576 99.798,93.576 99.913,93.691 U11.14@100.025,93.691
  Bottom Layer w0.14: v3(66.05,64.039) 66.05,64.015 67.272,62.792 67.272,62.764 67.388,62.649 67.44,62.649 67.502,62.586 69.778,62.586 v1(70.386,61.978) ; v1(89.256,58.42) 89.256,61.163 92.151,64.059 v1(92.989,64.059) 94.945,66.015 94.945,81.509 v1(94.996,81.559)
SNVS: C4.2 D2.C D3.C U1.M9 | length 24.6
  Top Layer w0.14: D3.C@45.407,61.731 D2.C@47.718,61.731 C4.2@49.836,61.731 ; v1(49.793,59.763) 49.793,59.887 49.615,60.066 49.615,61.511 C4.2@49.836,61.731 ; C4.2@49.979,61.875 C4.2@49.836,61.731 ; U1.M9@64.062,62.807 64.062,62.798 64.483,62.378 v3(64.483,62.369)
  Bottom Layer w0.14: v1(49.793,59.763) 49.86,59.83 53.445,59.83 54.219,59.056 62.478,59.056 63.861,60.439 63.861,61.094 64.483,61.715 v3(64.483,62.369)
SOC: C7.1 C8.1 C9.1 C10.1 L1.2 U1.F6 U1.F7 U1.F8 U1.F9 U1.G6 U1.G9 U1.H6 U1.H9 U1.J5 U1.J9 | length 20.5
  Top Layer w0.25: U1.J5@60.862,65.207 U1.H6@61.662,66.007 U1.G6@61.662,66.807 U1.F6@61.662,67.607 U1.F7@62.462,67.607 U1.F8@63.262,67.607 U1.F9@64.057,67.607 ; v3(63.659,68.001) 63.663,68.001 U1.F9@64.057,67.607 ; U1.J9@64.062,65.207 64.462,65.607 U1.H9@64.062,66.007 U1.G9@64.062,66.807 U1.F9@64.062,67.607 U1.F9@64.057,67.607
  Bottom Layer w0.15: 64.865,66.655 66.135,65.385 67.679,65.385 C7.1@68.019,65.046 ; C10.1@64.943,66.705 65.02,66.782 65.069,66.782 C10.1@64.993,66.706 ; L1.2@68.012,69.224 68.162,69.224 L1.2@68.062,69.324
  Bottom Layer w0.25: C9.1@61.265,68.142 62.44,68.142 62.686,67.896 62.792,68.001 v3(63.659,68.001) ; v3(64.474,65.609) 64.865,66 64.865,66.655 ; C10.1@65.069,66.782 65.503,66.782 66.146,67.425 67.073,67.425 67.791,68.144 L1.2@67.791,68.814
"SX_RESET / 3": U1.G5 U6.3 | length 34.3
  Top Layer w0.14: v1(42.265,86.257) 42.295,86.226 44.451,86.226 U6.3@44.482,86.196 ; v1(43.242,77.515) 43.246,77.518 43.998,77.518 50.371,71.146 52.849,71.146 53.513,70.481 54.955,70.481 55.453,69.983 55.453,69.09 55.642,68.9 55.642,68.896 57.337,67.201 60.474,67.201 60.862,66.813 U1.G5@60.862,66.807
  Bottom Layer w0.14: v1(42.265,86.257) 41.939,85.931 41.939,78.756 43.181,77.515 v1(43.242,77.515)
TX1: P7.8 U1.G11 | length 27.5
  Top Layer w0.14: U1.G11@65.662,66.807 65.662,66.798 66.05,66.411 v3(66.05,66.401)
  Bottom Layer w0.14: v3(66.05,66.401) 66.634,65.817 69.744,65.817 71.625,63.936 71.625,61.302 70.101,59.778 70.101,49.334 72.278,47.156 P7.8@72.278,45.116
TX2: U1.B11 U10.1 | length 56.8
  Top Layer w0.14: U1.B11@65.662,70.807 65.688,70.807 66.062,71.181 66.062,72.028 66.334,72.301 69.37,72.301 v1(69.643,72.574) ; v1(88.57,74.066) 89.713,72.923 105.435,72.923 106.387,73.875 106.387,80.472 105.371,81.488 103.387,81.488 102.981,81.081 U10.1@102.981,79.434
  Bottom Layer w0.14: v1(69.643,72.574) 69.643,73.031 69.653,73.031 71.73,75.108 73.355,75.108 74.397,74.066 v1(88.57,74.066)
TX2_1V8: U9.2 U10.4 | length 17.8
  Top Layer w0.14: U9.2@85.37,82.276 87.319,82.276 89.052,80.543 101.282,80.543 101.481,80.345 U10.4@101.481,79.434
"TX_CAM1 / 15": TX.3@49.918,20.478 U1.M12 | length 60.1
  Top Layer w0.14: v1(44.906,35.177) 44.906,25.49 TX.3@49.918,20.478 ; v1(52.168,41.027) 52.833,41.692 52.833,57.179 53.01,57.356 v1(53.01,57.48) ; v3(66.054,61.604) 66.054,62.401 66.46,62.807 U1.M12@66.462,62.807
  Bottom Layer w0.14: v1(44.906,35.177) 50.756,41.027 v1(52.168,41.027) ; v1(53.01,57.48) 53.08,57.41 62.713,57.41 62.95,57.616 ; 62.978,57.642 64.446,59.128 65.031,59.714 65.328,59.714 66.054,60.439 v3(66.054,61.604)
"TX_CAM2 / 34": TX.3@49.918,12.117 U1.D14 | length 104.5
  Top Layer w0.14: v1(58.064,33.704) 58.127,33.768 79.234,33.768 v1(79.298,33.831) ; U1.D14@68.062,69.207 73.618,69.207 v1(73.784,69.373)
  Bottom Layer w0.14: TX.3@49.918,12.117 49.657,12.379 49.14,12.379 43.253,18.266 43.253,30.12 46.837,33.704 v1(58.064,33.704) ; v1(73.784,69.373) 73.824,69.333 73.99,69.333 74.19,69.133 74.19,67.767 76.505,65.452 76.505,52.381 81.454,47.431 81.454,35.327 79.958,33.831 v1(79.298,33.831)
VUSB: D10.2 J3.A4/B9 J3.A9/B4 R14.1 | length 26.1
  Top Layer w0.35: D10.2@38.274,63.836 D10.2@38.681,63.43
  Top Layer w0.6: J3.A9/B4@25.634,57.696 26.952,57.696 27.777,56.871 ; J3.A4/B9@25.83,62.522 27.828,62.522 29.142,63.836 D10.2@38.274,63.836 ; R14.1@26.54,52.889 26.54,53.039 27.777,54.276 27.777,56.871 ; 27.777,62.471 27.777,56.871
XTAL0: C1.1 U1.N11 Y1.3 | length 6.1
  Top Layer w0.14: C1.1@64.017,58.392 64.16,58.249 65.226,58.249 65.546,57.929 65.546,59.128 65.546,59.783 65.251,60.078 65.251,61.039 65.256,61.044 65.256,61.371 65.251,61.376 65.251,61.596 U1.N11@65.662,62.007
XTAL1: C2.1 R1.1 U1.P11 Y1.1 | length 9
  Top Layer w0.14: U1.P11@65.662,61.207 65.662,60.345 66.878,59.128 67.262,58.745 67.262,58.249 67.255,57.187 66.646,56.579 C2.1@66.646,55.376 ; R1.1@66.563,53.453 C2.1@66.563,55.29 ; R1.1@66.583,53.264 R1.1@66.868,52.979
pads on no net: Buzzer1.1 Buzzer1.2 D5.1 J2.9 J2.MH1 J2.MH2 J3.A8 J3.B8 J3.MH1 J3.MH2 P7.2 P7.3 P7.4 P7.7 P7.10 U1.A2 U1.A3 U1.A4 U1.A5 U1.A6 U1.A7 U1.A8 U1.A9 U1.A12 U1.A13 U1.B1 U1.B2 U1.B3 U1.B4 U1.B6 U1.B7 U1.B8 U1.B9 U1.B12 U1.B13 U1.B14 U1.C1 U1.C2 U1.C4 U1.C6 U1.C7 U1.C8 U1.C9 U1.C12 U1.C13 U1.C14 U1.D1 U1.D2 U1.D3 U1.D4 U1.D6 U1.D11 U1.D12 U1.E1 U1.E3 U1.E5 U1.E10 U1.E11 U1.E12 U1.F1 U1.F4 U1.G1 U1.G2 U1.G3 U1.G4 U1.G12 U1.H1 U1.H5 U1.H10 U1.H11 U1.H12 U1.H14 U1.K6 U1.K10 U1.K12 U1.L5 U1.L6 U1.L7 U1.L10 U1.M3 U1.M4 U1.M5 U1.M6 U1.M14 U1.N3 U1.N7 U1.N10 U1.N12 U1.N13 U1.P2 U1.P7 U1.P9 U1.P13 U3.14 U3.16 U6.14 U8.4 U9.6 U9.13 U9.14 U9.15 U9.16 U9.18 U9.19 U9.20 U9.22 U9.P$1 U9.P$2 U9.P$3 U9.P$4 U9.P$5 U9.P$6 U9.P$7 U9.P$8 U9.P$9 U9.P$10 U9.P$11 U9.P$12 U10.5 U10.8 U11.4 U11.9 U11.10 U12.7

## Polygon pours and split planes (outlines as drawn)
+3V3 on VCC Layer "+3V3_L03_P014" (solid, pour order 14): 19.329,105.207 107.315,105.207 107.315,23.952 81.585,23.952 81.585,30.378 76.782,30.378 76.759,30.402 76.759,26.01 68.202,26.01 68.202,29.845 65.303,29.845 65.273,29.815 65.273,25.922 59.919,25.922 59.919,29.896 43.663,29.896 43.561,29.997 43.561,41.25 43.524,41.25 40.653,44.12 40.653,45.907 58.08,45.907 58.09,45.898 73.293,61.101 73.293,61.122 88.808,61.122 88.824,61.138 88.748,61.214 88.748,72.898 83.043,72.898 79.538,76.403 54.127,76.403 49.555,71.831 38.252,71.831 38.252,66.37 38.075,66.192 19.329,66.192
+5V on VCC Layer "+5V_L03_P011" (solid, pour order 11): 56.159,29.585 59.573,29.585 59.573,25.679 65.548,25.679 65.548,29.585 67.996,29.585 67.996,25.806 77.038,25.806 77.038,30.099 81.407,30.099 81.407,23.8 107.264,23.8 107.264,7.264 19.279,7.264 19.279,47.015 39.25,47.015 40.513,45.752 40.513,44.069 ccw(c40.741,44.069) 40.58,43.907 43.35,41.137 43.35,29.585
+3V3T on VCC Layer "+3V3T_L03_P015" (solid, pour order 15): 19.253,66.032 38.111,66.032 38.456,66.376 38.456,71.628 49.606,71.628 54.204,76.225 79.434,76.225 82.906,72.754 82.906,72.72 88.621,72.72 88.621,61.255 88.627,61.249 73.268,61.249 58.092,46.073 40.414,46.073 39.319,47.168 19.253,47.168
GND on Top Layer "Top Layer-GND" (solid, pour order 24): 45.288,94.993 48.031,94.993 48.031,100.686 42.256,100.686 42.256,98.579 45.288,98.579
+3V3 on Top Layer "Top Layer-+3V3" (solid, pour order 26): 44.747,93.48 44.755,93.472 44.755,93.48 46.205,93.48 46.208,93.484 46.208,94.818 44.755,94.818 44.755,98.419 43.129,98.419 43.129,96.317 42.215,96.317 42.215,95.843 42.915,95.843 42.915,93.48
GND on Top Layer "GND_L01_P022" (solid, pour order 22): 40.805,93.934 40.805,96.346 42.215,96.346 42.215,93.934
+3V3 on Top Layer "+3V3_L01_P018" (solid, pour order 18): 33.934,103.784 33.909,103.759 33.909,95.987 36.469,95.987 36.469,97.307 36.933,97.307 36.959,97.282 36.959,97.753 36.469,97.753 36.469,100.127 36.965,100.127 36.965,100.517 36.615,100.517 36.615,103.798 33.923,103.798 33.909,103.784
GND on Top Layer "GND_L01_P019" (solid, pour order 19): 37.09,103.149 41.515,103.149 41.515,100.729 37.09,100.729
GND on Top Layer "GND_L01_P016" (solid, pour order 16): 33.528,103.784 33.528,95.987 33.503,95.961 30.683,95.961 30.683,103.784
GND on Ground Layer "GND_L02_P008" (solid, pour order 8): 19.288,7.299 107.28,7.299 107.28,105.299 19.288,105.299

## Other copper
Top Layer:
  rectangle net +3V3: 99.996,91.516 101.393,93.325

## Silkscreen, mask and mechanical layers (free items; w line width, h text height)
Top Overlay:
  text "GPS" at 76.149,76.581 h0.7
  text "3V3T" at 41.575,56.136 h0.7
  text "Boot" at 80.442,50.825 h0.7
  text "Buzzer" at 23.466,41.586 h0.7
Bottom Overlay:
  text "VectorNav" at 74.977,48.063 h0.7
  text "5V" at 76.987,40.13 h0.7
  text "GND" at 67.716,32.028 h0.7
  text "3V3" at 62.636,32.002 h0.7
  text "3V3" at 74.015,31.977 h0.7
  text "GND" at 79.323,31.957 h0.7
  text "GND" at 74.04,23.747 h0.7
  text "3V3" at 76.809,23.747 h0.7
  text "GND" at 62.585,23.697 h0.7
  text "3V3" at 65.353,23.697 h0.7
  text "SCL_N" at 72.821,15.685 h0.7
  text "5V" at 55.6,15.645 h0.7
  text "GND" at 53.492,15.619 h0.7
  text "RX" at 48.107,15.594 h0.7
  text "5V" at 62.305,15.594 h0.7
  text "SCL_P" at 76.758,15.584 h0.7
  text "SDA_N" at 84.937,15.584 h0.7
  text "GND" at 67.766,15.569 h0.7
  text "GND" at 53.441,7.466 h0.7
  text "5V" at 55.651,7.466 h0.7
  text "RX" at 48.107,7.441 h0.7
  text "CAN_P" at 78.079,7.176 h0.7
  text "5V" at 62.509,7.11 h0.7
  text "GND" at 67.716,7.034 h0.7

## Text inside footprints (layer, text, board x,y; h text height)
Buzzer1: Mechanical 13 "+" at 31.188,32.873 h0.81 r180; Mechanical 13 "-" at 31.188,39.223 h0.81 r180; Top Overlay "+" at 31.188,32.873 h0.81 r180; Top Overlay "-" at 31.188,39.223 h0.81 r180